# Altium PCB LeVentilateur.PcbDoc (part 1 of 2) (continued)
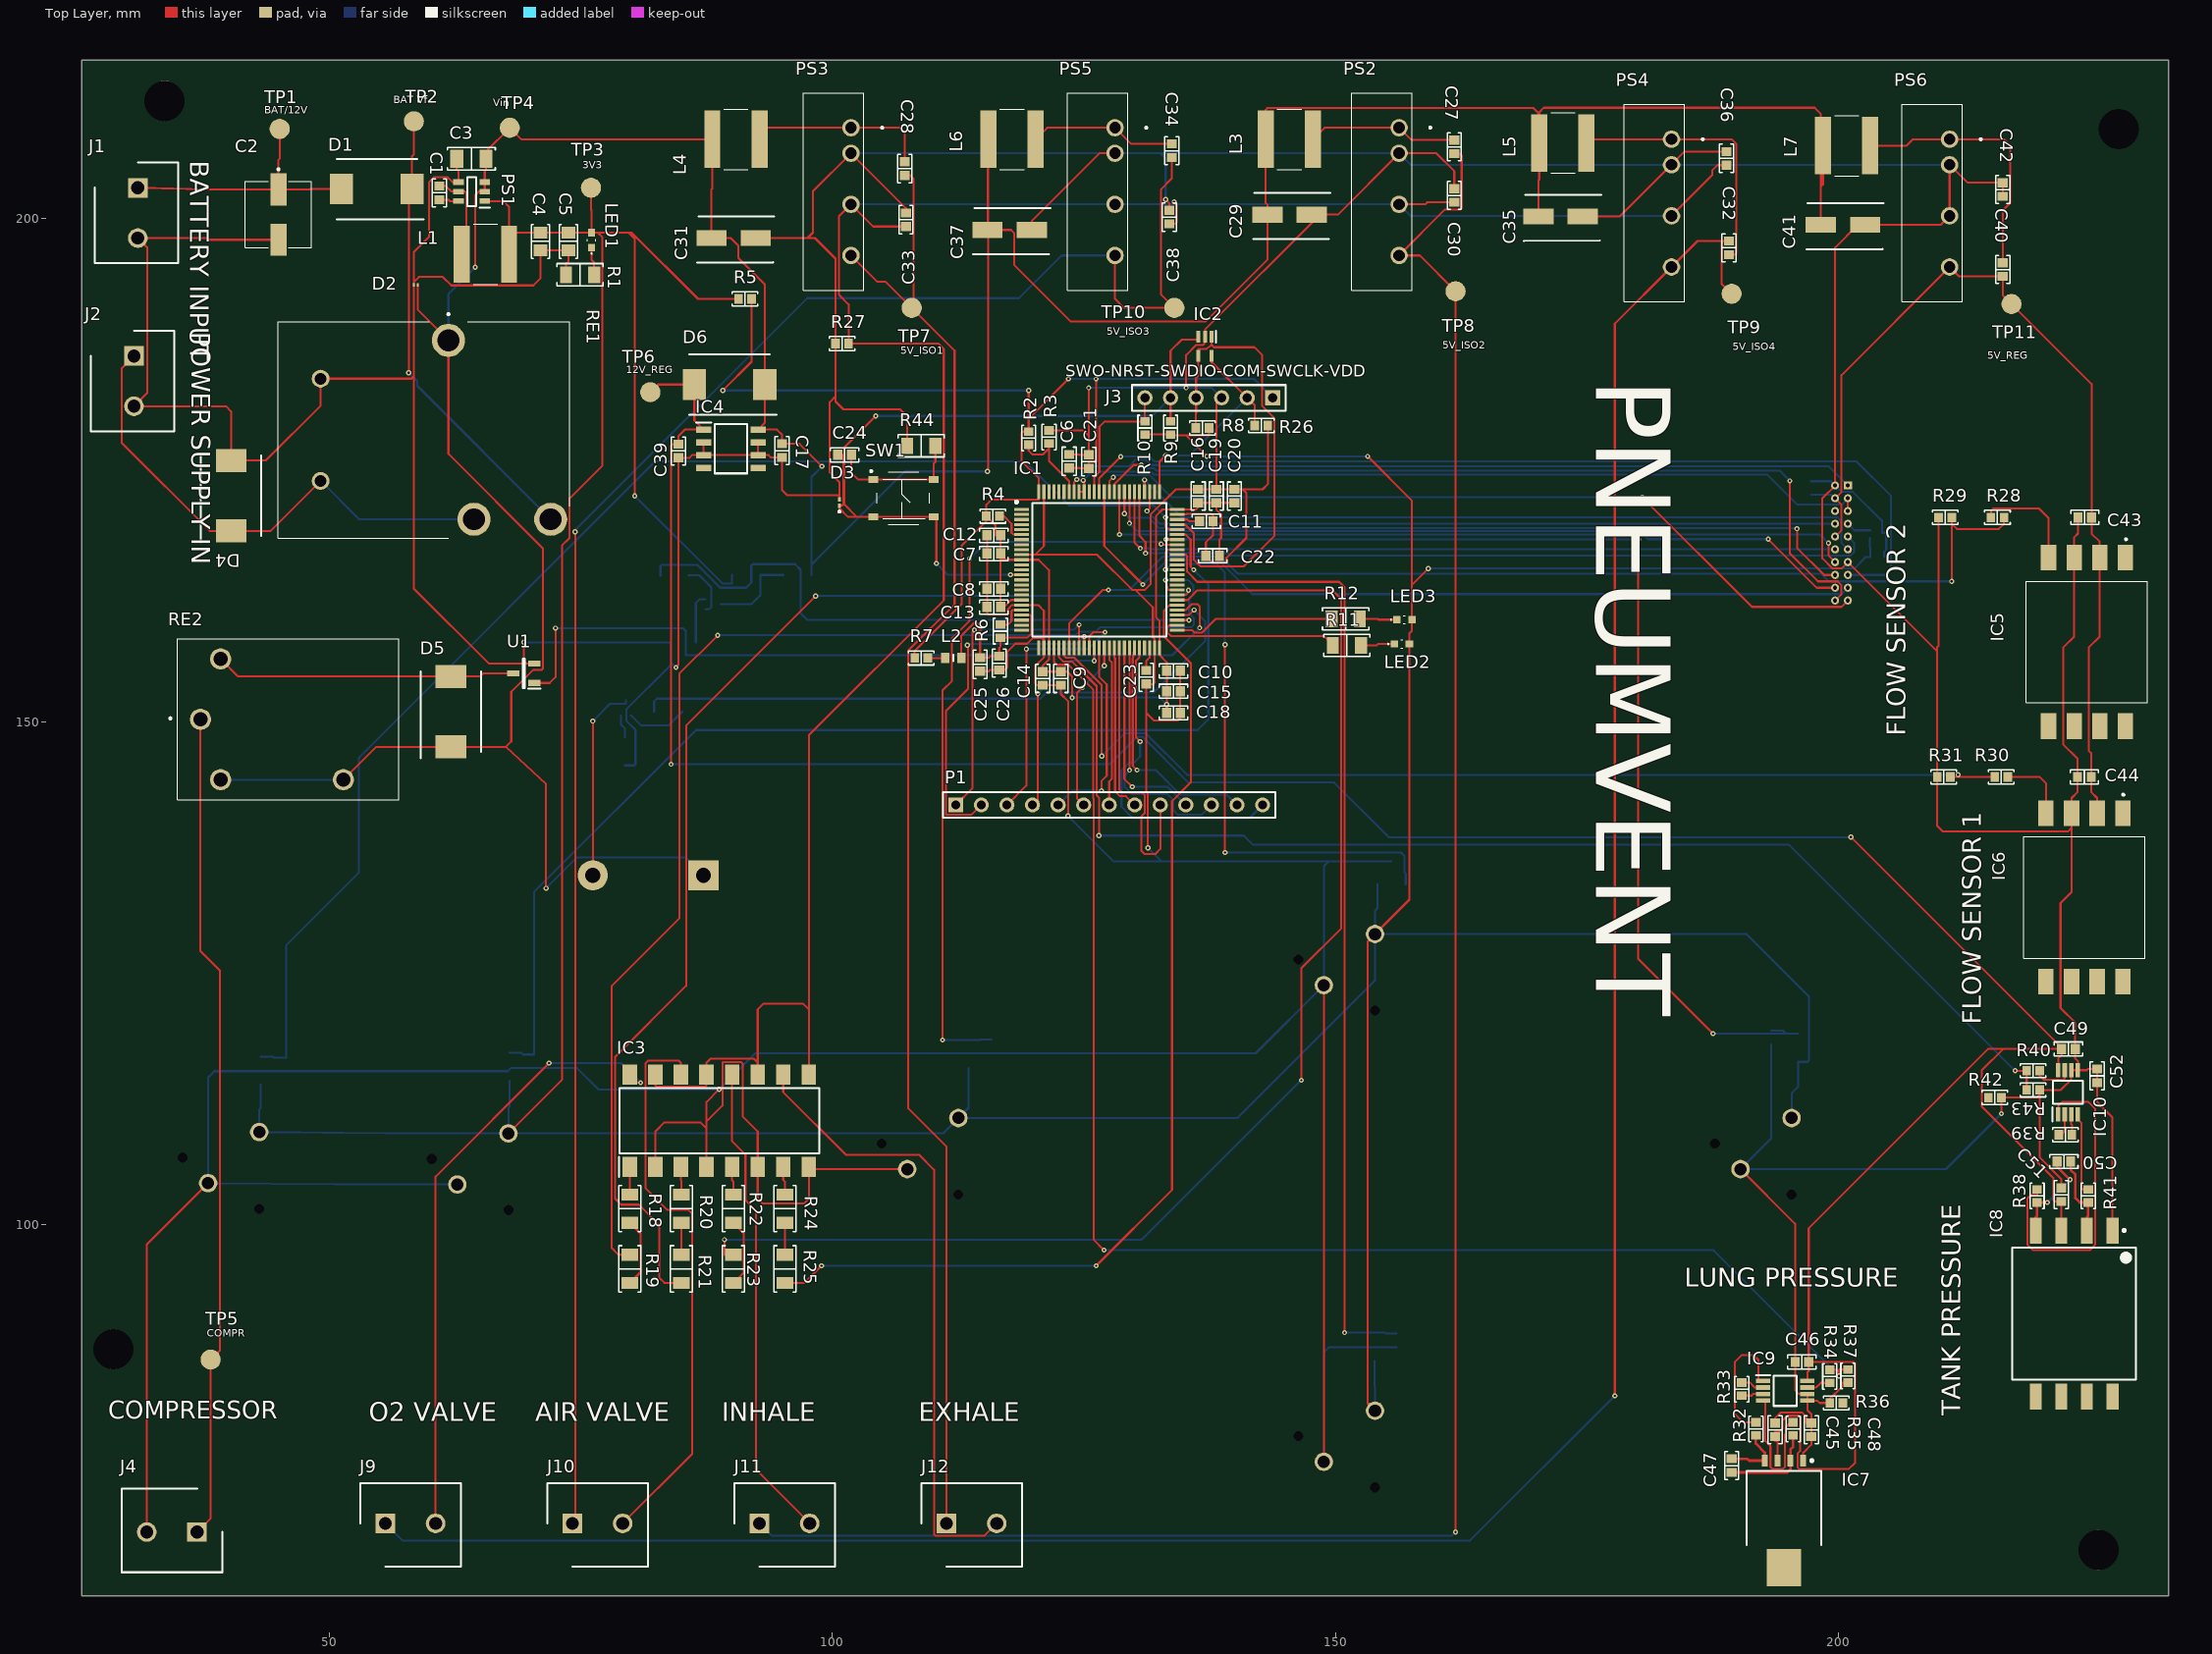
[diagram p0: Top Layer view]
## Part data (continued)
IC9 IC10: "IC INST AMP 1 CIRCUIT 8VSSOP", Case/Package=VSSOP, Input Bias Current=65nA, Input Offset Voltage (Vos)=150uV, Input Resistance=100kR, Input Voltage Noise Density="18nV/sqrt Hz", Manufacturer 1="Texas Instruments", Manufacturer Part Number 1=INA826AIDGKR, Max Dual Supply Voltage=18V, Max Operating Temperature=125°C, Max Supply Voltage=36V, Min Dual Supply Voltage=1.35V, Min Operating Temperature=-40°C, Min Supply Voltage=2.7V, Operating Supply Current=200uA, Output Current per Channel=16mA, Package Quantity=2500, Power Supply Rejection Ratio (PSRR)=100dB, Supplier Part Number 1=296-29663-1-ND, Voltage Gain=60dB, -3db Bandwidth=1MHz, Bandwidth=1MHz, Common Mode Rejection Ratio=84dB, ComponentLink1Description=https://datasheet.ciiva.com/1487/1806064-1487618.pdf?src-supplier=Element14, ComponentLink1URL=https://datasheet.ciiva.com/1487/1806064-1487618.pdf?src-supplier=Element14, ComponentLink2Description=https://datasheet.ciiva.com/1798/ina826-1798294.pdf?src-supplier=Digi-Key, ComponentLink2URL=https://datasheet.ciiva.com/1798/ina826-1798294.pdf?src-supplier=Digi-Key, ComponentLink3Description=https://datasheet.ciiva.com/1798/ina826-1798295.pdf?src-supplier=Digi-Key, ComponentLink3URL=https://datasheet.ciiva.com/1798/ina826-1798295.pdf?src-supplier=Digi-Key, ComponentLink4Description=https://datasheet.ciiva.com/1798/ina826-1798296.pdf?src-supplier=Digi-Key, ComponentLink4URL=https://datasheet.ciiva.com/1798/ina826-1798296.pdf?src-supplier=Digi-Key, ComponentLink5Description=https://datasheet.ciiva.com/14338/ina826-14338024.pdf?src-supplier=Avnet, ComponentLink5URL=https://datasheet.ciiva.com/14338/ina826-14338024.pdf?src-supplier=Avnet, Contact Plating=Gold, Description 1="TEXAS INSTRUMENTS - INA826AIDGKR - ?????, 1????, 40 µV, 1 V/µs, 1 MHz, 2.7V ? 36V, ± 1.35V ? ± 18V, VSSOP", Lead Free="Lead Free", Number of Amplifiers=1, Number of Channels=1, Number of Circuits=1, Number of Elements=1, Number of Pins=8, Packaging="Tape and Reel", Pricing 1="1 = 2.73000, 10 = 2.44900, 25 = 2.31000, 100 = 1.84800, 250 = 1.61700, 500 = 1.57080, 1000 = 1.24740 (USD)", Quiescent Current=200uA, Radiation Hardening=No, REACH SVHC="No SVHC", RoHS 1=Yes, Slew Rate=1V/µs, Stock 1=17777, Supplier 1=Digi-Key, Weight=0.000935oz
IC11: library part Component_1, "LCD MOD GRAPH 122X32 WH TRANSM", Background Color=Blue, Case/Package=Module, Manufacturer 1="Newhaven Display", Manufacturer Part Number 1=NHD-12232KZ-NSW-BBW-P, Max Operating Temperature=70°C, Min Operating Temperature=-20°C, Package Quantity=50, Supplier Part Number 1=NHD-12232KZ-NSW-BBW-P-ND, Backlight Type=LED, ComponentLink1Description=https://datasheet.ciiva.com/19454/2154919-19454139.pdf?src-supplier=Jameco, ComponentLink1URL=https://datasheet.ciiva.com/19454/2154919-19454139.pdf?src-supplier=Jameco, ComponentLink2Description=https://datasheet.ciiva.com/5326/nhd-12232kz-nsw-bbw-p-44813-5326535.pdf?src-supplier=Mouser, ComponentLink2URL=https://datasheet.ciiva.com/5326/nhd-12232kz-nsw-bbw-p-44813-5326535.pdf?src-supplier=Mouser, ComponentLink3Description=https://datasheet.ciiva.com/2103/nhd-12232kz-nsw-bbw-p-2103129.pdf?src-supplier=Digi-Key, ComponentLink3URL=https://datasheet.ciiva.com/2103/nhd-12232kz-nsw-bbw-p-2103129.pdf?src-supplier=Digi-Key, ComponentLink4Description=https://datasheet.ciiva.com/49271/70518174-49271942.pdf?src-supplier=Allied+Electronics, ComponentLink4URL=https://datasheet.ciiva.com/49271/70518174-49271942.pdf?src-supplier=Allied+Electronics, Description 1="122 by 32 Character LCD Display Module 5 Volts White Letters", Interface="Parallel,8 bit", Packaging=Bulk, Pricing 1="1 = 13.85000, 5 = 13.01800, 10 = 12.18700, 50 = 11.60400 (USD)", Resolution (height)=32pixel, Resolution (width)=122pixel, RoHS 1=Yes, Stock 1=610, Supplier 1=Digi-Key
J1 J2 J4 J9 J10 J11 J12: library part 1935161, "TERM BLK 2POS SIDE ENTRY 5MM PCB", Color=Green, Current=18A, Current Rating=17.5A, Flammability Rating="UL94 V-0", Manufacturer 1="Phoenix Contact", Max Current Rating=16A, Max Supply Voltage=250V, Package Quantity=250, Supplier Part Number 1=277-1667-ND, Voltage=300V, Voltage Rating (DC)=320V, Approvals=UL, ComponentLink1Description=https://datasheet.ciiva.com/15169/getdatasheetpartid-177903-15169663.pdf?src-supplier=Verical, ComponentLink1URL=https://datasheet.ciiva.com/15169/getdatasheetpartid-177903-15169663.pdf?src-supplier=Verical, ComponentLink2Description=https://datasheet.ciiva.com/16047/1935161-16047247.pdf?src-supplier=Onlinecomponents.com, ComponentLink2URL=https://datasheet.ciiva.com/16047/1935161-16047247.pdf?src-supplier=Onlinecomponents.com, ComponentLink3Description=https://datasheet.ciiva.com/824/combiconcompact5-0mmseries-824222.pdf?src-supplier=Digi-Key, ComponentLink3URL=https://datasheet.ciiva.com/824/combiconcompact5-0mmseries-824222.pdf?src-supplier=Digi-Key, Connector Type=Screw, Contact Material=Copper,Tin, Depth=9mm, Description 1="Conn Terminal Blocks 2 POS 5mm Solder ST Thru-Hole 16A", Height=11.3mm, Housing Color=Green, Housing Material=Polyamide, Insulation Material=Nylon, Lead Free="Lead Free", Length=9mm, Manufacturer Part Number 1=1935161, Material=Nylon, Mount="Through Hole", Number of Circuits=2, Number of Contacts=2, Number of Levels=1, Number of Pins=2, Number of Poles=2, Number of Positions=2, Number of Positions Per Level=2, Number of Rows=1, Orientation=Straight, Packaging=Bulk, Pitch=5mm, Pricing 1="1 = 0.43000, 10 = 0.41100, 50 = 0.39280, 100 = 0.38200, 250 = 0.35700, 500 = 0.32844, 1000 = 0.30350 (USD)", Radiation Hardening=No, REACH SVHC=Unknown, RoHS 1=Yes, Stock 1=32563, Supplier 1=Digi-Key, Termination=Solder, Voltage Rating=250V, Weight=0.067021oz, Width=14.9mm, Wire/Cable Gauge=26AWG, Wire Gauge (Max)=26AWG, Wire Gauge (Min)=12AWG
J3: "Header, 6-Pin", LatestRevisionDate=17-Jul-2002, LatestRevisionNote="Re-released for DXP Platform.", Publisher="Altium Limited"
L1: library part 1255AY-3R9N=P3, "3.9µH Shielded Wirewound Inductor 4.2A 26.4mOhm Max Nonstandard", Case/Package=Nonstandard, Current Rating=4.2A, DC Resistance (DCR)=26.4mR, Manufacturer 1=Murata, Manufacturer Part Number 1=1255AY-3R9N=P3, Max Operating Temperature=85°C, Min Operating Temperature=-40°C, Saturation Current=4.7A, Supplier Part Number 1=490-14062-1-ND, Test Frequency=100kHz, Tolerance=30%, ComponentLink1Description=http://www.toko.co.jp/products/pdf/inductors/dg6045c.pdf?src-supplier=Digi-Key, ComponentLink1URL=http://www.toko.co.jp/products/pdf/inductors/dg6045c.pdf?src-supplier=Digi-Key, Composition=Wirewound, Core Material=Ferrite, Description 1="FIXED IND", Height - Seated (Max)=0.177inch, Inductance=3.9uH, Length=0.248inch, Mount="Surface Mount", Packaging="Tape and Reel", Pricing 1="1 = 0.48000, 10 = 0.42300, 100 = 0.30190, 500 = 0.25358 (USD)", RoHS 1=Yes, Shielding=Shielded, Stock 1=385, Supplier 1=Digi-Key, Width=0.248inch
L2: library part Inductor, "FERRITE BEAD 300 OHM 0603 1LN", Case/Package=0603, Case Code (Metric)=1608, Current Rating=150mA, DC Resistance (DCR)=350mR, Inductance=300uH, Manufacturer 1="Vishay Dale", Manufacturer Part Number 1=ILBB0603ER301V, Max Operating Temperature=125°C, Min Operating Temperature=-55°C, Package Quantity=1, Supplier Part Number 1=541-2291-1-ND, Test Frequency=100MHz, Tolerance=25%, Case Code (Imperial)=0603, ComponentLink1Description=https://datasheet.ciiva.com/4939/ilbb0603-239824-4939552.pdf?src-supplier=Mouser, ComponentLink1URL=https://datasheet.ciiva.com/4939/ilbb0603-239824-4939552.pdf?src-supplier=Mouser, ComponentLink2Description=https://datasheet.ciiva.com/15160/getdatasheetpartid-45515-15160141.pdf?src-supplier=Verical, ComponentLink2URL=https://datasheet.ciiva.com/15160/getdatasheetpartid-45515-15160141.pdf?src-supplier=Verical, ComponentLink3Description=https://datasheet.ciiva.com/46636/ilbb0603-46636055.pdf?src-supplier=Digi-Key, ComponentLink3URL=https://datasheet.ciiva.com/46636/ilbb0603-46636055.pdf?src-supplier=Digi-Key, ComponentLink4Description=https://datasheet.ciiva.com/46417/ilbb0603-46417096.pdf?src-supplier=Element14, ComponentLink4URL=https://datasheet.ciiva.com/46417/ilbb0603-46417096.pdf?src-supplier=Element14, ComponentLink5Description=https://datasheet.ciiva.com/8493/ilbb0603-8493945.pdf?src-supplier=Avnet, ComponentLink5URL=https://datasheet.ciiva.com/8493/ilbb0603-8493945.pdf?src-supplier=Avnet, ComponentLink6Description=https://datasheet.ciiva.com/1014/ilbb0603-1014734.pdf?src-supplier=Digi-Key, ComponentLink6URL=https://datasheet.ciiva.com/1014/ilbb0603-1014734.pdf?src-supplier=Digi-Key, Core Material=Ferrite, DC Current=150mA, Depth=0.95mm, Description 1="FERRITE BEAD 300 OHM 0603", Height=0.037inch, Impedance=300R, Lead Free="Lead Free", Length=0.063inch, Max Current Rating=150mA, Max DC Current=150mA, Military Standard=Not, Mount="Surface Mount", Number of Lines=1, Number of Pins=2, Packaging="Tape and Reel", Pricing 1="1 = 0.10000, 10 = 0.07300, 25 = 0.06600, 50 = 0.05940, 100 = 0.04360, 250 = 0.03168, 500 = 0.02904, 1000 = 0.02508 (USD)", Radiation Hardening=No, REACH SVHC=Unknown, RoHS 1=Yes, Shielding=Shielded, Stock 1=4680, Supplier 1=Digi-Key, Termination=SMD/SMT, Weight=7.1E-05oz, Width=0.8mm
L3 L4 L5 L6 L7: library part 1255AY-3R9N=P3, ComponentLink1Description=http://www.toko.co.jp/products/pdf/inductors/dg6045c.pdf?src-supplier=Digi-Key, ComponentLink1URL=http://www.toko.co.jp/products/pdf/inductors/dg6045c.pdf?src-supplier=Digi-Key
LED1 LED2: library part 150060GS73220, "LED GREEN CLEAR 0603 SMD", Case/Package=0603, Case Code (Metric)=1608, Color=Green, Forward Current=30mA, Forward Voltage=2V, Manufacturer 1="Wurth Electronics", Manufacturer Part Number 1=150060VS75000, Max Operating Temperature=85°C, Min Operating Temperature=-40°C, Package Quantity=1, Supplier Part Number 1=732-4980-1-ND, Test Current=20mA, Case Code (Imperial)=0603, ComponentLink1Description=https://datasheet.ciiva.com/29562/150060vs75000-29562919.pdf?src-supplier=Digi-Key, ComponentLink1URL=https://datasheet.ciiva.com/29562/150060vs75000-29562919.pdf?src-supplier=Digi-Key, Description 1="WURTH ELEKTRONIK - 150060VS75000 - LED, Grün, Oberflächenmontage, 603, 30 mA, 2 V, 570 nm", Dominant Wavelength=570nm, Height=0.7mm, Length=1.6mm, Lens Style=Clear,Rectangular, Luminous Intensity=40mcd, Mount="Surface Mount", Number of Pins=2, Packaging="Tape and Reel", Pricing 1="1 = 0.14000, 50 = 0.13300, 100 = 0.11400, 500 = 0.09900 (USD)", REACH SVHC=Unknown, RoHS 1=Yes, Stock 1=29468, Supplier 1=Digi-Key, Viewing Angle=140°, Wavelength=570nm, Width=0.8mm
LED3: library part 150060GS73220, "LED GREEN CLEAR 0603 SMD", Case/Package=0603, Case Code (Metric)=1608, Color=Red, Forward Current=30mA, Forward Voltage=2V, Manufacturer 1="Wurth Electronics", Manufacturer Part Number 1=150060RS75000, Max Operating Temperature=85°C, Min Operating Temperature=-40°C, Package Quantity=1, Supplier Part Number 1=732-4978-1-ND, Test Current=20mA, Case Code (Imperial)=0603, ComponentLink1Description=https://datasheet.ciiva.com/29562/150060vs75000-29562919.pdf?src-supplier=Digi-Key, ComponentLink1URL=https://datasheet.ciiva.com/29562/150060vs75000-29562919.pdf?src-supplier=Digi-Key, ComponentLink2Description=https://datasheet.ciiva.com/29563/150060rs75000-29563040.pdf?src-supplier=Digi-Key, ComponentLink2URL=https://datasheet.ciiva.com/29563/150060rs75000-29563040.pdf?src-supplier=Digi-Key, ComponentLink3Description=https://datasheet.ciiva.com/29279/759428-da-01-en-chipled-0603-w-kl-rot-150060rs75000-29279196.pdf?src-supplier=Conrad, ComponentLink3URL=https://datasheet.ciiva.com/29279/759428-da-01-en-chipled-0603-w-kl-rot-150060rs75000-29279196.pdf?src-supplier=Conrad, Description 1="WURTH ELEKTRONIK - 150060RS75000 - LED, Red, 625 nm, 2 V, 30 mA, 250 mcd RoHS Compliant: Yes", Dominant Wavelength=625nm, Height=0.7mm, Length=1.6mm, Lens Style=Clear,Rectangular, Luminous Intensity=250mcd, Mount="Surface Mount", Packaging="Cut Tape", Pricing 1="1 = 0.14000, 50 = 0.13300, 100 = 0.11400, 500 = 0.09900 (USD)", REACH SVHC=Unknown, RoHS 1=Yes, Stock 1=20136, Supplier 1=Digi-Key, Viewing Angle=140°, Wavelength=625nm, Width=0.8mm
LED4: library part QBHP686-IWK-CW, "Red 620nm LED Indication - Discrete 2.4V 1113 (2835 Metric)", Case/Package=1113, Color=Red, Forward Voltage=2.4V, Lens Color=Colorless, Manufacturer 1=QT-Brightek, Manufacturer Part Number 1=QBHP686-RH, Supplier Part Number 1=1516-1369-1-ND, Test Current=150mA, Case Code (Imperial)=1113, ComponentLink1Description="http://www.qt-brightek.com/datasheet/QBHP686-XXH Series.pdf?src-supplier=Digi-Key", ComponentLink1URL="http://www.qt-brightek.com/datasheet/QBHP686-XXH Series.pdf?src-supplier=Digi-Key", Dominant Wavelength=620nm, Height=1mm, Length=3.1mm, Lens Style=Flat, Lens Transparency=Clear, Mount="Surface Mount", Packaging="Tape and Reel", Pricing 1="1 = 0.85000, 10 = 0.66200, 100 = 0.42530, 500 = 0.35910, 1000 = 0.28350 (USD)", RoHS 1=No, Stock 1=3690, Supplier 1=Digi-Key, Viewing Angle=120°, Width=2.8mm
P1: "Header, 13-Pin", LatestRevisionDate=17-Jul-2002, LatestRevisionNote="Re-released for DXP Platform.", Publisher="Altium Limited"
PS1: "IC REG BUCK 3.3V 2A TSOT26", Manufacturer 1=Diodes, Supplier Part Number 1=AP63203WU-7DICT-ND, ComponentLink1Description=http://www.farnell.com/datasheets/2741240.pdf?src-supplier=Farnell, ComponentLink1URL=http://www.farnell.com/datasheets/2741240.pdf?src-supplier=Farnell, ComponentLink2Description=https://api.kemet.com/component-edge/download/datasheet/C0603C104K5RECAUTO.pdf?src-supplier=Digi-Key, ComponentLink2URL=https://api.kemet.com/component-edge/download/datasheet/C0603C104K5RECAUTO.pdf?src-supplier=Digi-Key, ComponentLink3Description=http://www.farnell.com/datasheets/2741240.pdf?src-supplier=Newark, ComponentLink3URL=http://www.farnell.com/datasheets/2741240.pdf?src-supplier=Newark, ComponentLink4Description=http://www.samsungsem.com/kr/support/product-search/mlcc/CL31A106MBHNNNE.jsp?src-supplier=Digi-Key, ComponentLink4URL=http://www.samsungsem.com/kr/support/product-search/mlcc/CL31A106MBHNNNE.jsp?src-supplier=Digi-Key, Description 1="AP63203 Series 3.3 V 2 A SMT Fixed Low IQ Synchronous Buck - TSOT-26", Manufacturer Part Number 1=AP63203WU-7, Pricing 1="1 = 0.83000, 10 = 0.74500, 25 = 0.70720, 100 = 0.54290, 250 = 0.47976, 500 = 0.45450, 1000 = 0.35350 (USD)", RoHS 1=No, Stock 1=8615, Supplier 1=Digi-Key
PS2 PS3 PS4 PS5 PS6: "DC DC CONVERTER 5V 1W", Isolation Voltage=1kV, Manufacturer 1=Recom, Manufacturer_Name="RECOM Power", Max Input Voltage=5V, Max Operating Temperature=85°C, Max Output Current=200mA, Max Power Dissipation=1W, Min Operating Temperature=-40°C, Mouser Part Number=919-RFB-0505S, RS Part Number=1855539P, Supplier Part Number 1=945-3158-ND, ComponentLink1Description=https://www.recom-power.com/pdf/Econoline/RFB.pdf?src-supplier=Digi-Key, ComponentLink1URL=https://www.recom-power.com/pdf/Econoline/RFB.pdf?src-supplier=Digi-Key, Datasheet Link=https://componentsearchengine.com/Datasheets/1/RFB-0505S.pdf, Description 1="Recom RFB 1W Isolated DC-DC Converter Through Hole, Voltage out 5V dc", Efficiency=80%, Features=SCP, Height=10.7mm, Length=19.6mm, Manufacturer_Part_Number=RFB-0505S, Manufacturer Part Number 1=RFB-0505S, Max Output Voltage=5V, Mount="Through Hole", Mouser Price/Stock=https://www.mouser.com/Search/Refine.aspx?Keyword=919-RFB-0505S, Number of Outputs=1, Packaging=Rail/Tube, Pricing 1="1 = 1.54000, 5 = 1.51800, 10 = 1.49600, 25 = 1.45200, 50 = 1.40800, 100 = 1.36400, 250 = 1.32000, 500 = 1.23200 (USD)", RoHS 1=No, RS Price/Stock=http://uk.rs-online.com/web/p/products/1855539P, Stock 1=1808, Supplier 1=Digi-Key, Voltage - Output 1=5V, Weight=2.2g, Width=6mm
Q1 Q2: library part 2N7002,215, "MOSFET N-CH 60V 300MA SOT-23", Continuous Drain Current (ID)=200mA, Drain to Source Voltage (Vdss)=50V, Input Capacitance=26pF, Manufacturer 1=Rohm, Manufacturer Part Number 1=RYE002N05TCL, Max Power Dissipation=150mW, Supplier Part Number 1=RYE002N05TCLCT-ND, ComponentLink1Description=Datasheet, ComponentLink1URL=http://www.nxp.com/documents/data_sheet/2N7002.pdf, ComponentLink2Description="Digi-Key Listing", ComponentLink2URL=http://www.digikey.com/product-detail/en/2N7002,215/568-1369-2-ND/762973, ComponentLink3Description=http://www.mouser.com/ds/2/348/rye002n05-515252.pdf?src-supplier=Mouser, ComponentLink3URL=http://www.mouser.com/ds/2/348/rye002n05-515252.pdf?src-supplier=Mouser, ComponentLink4Description=https://www.rohm.com/datasheet/RYE002N05?src-supplier=Digi-Key, ComponentLink4URL=https://www.rohm.com/datasheet/RYE002N05?src-supplier=Digi-Key, ComponentLink5Description=http://www.rohm.com/web/global/datasheet/RYE002N05?src-supplier=Digi-Key, ComponentLink5URL=http://www.rohm.com/web/global/datasheet/RYE002N05?src-supplier=Digi-Key, ComponentLink6Description=http://rohmfs.rohm.com/en/products/databook/datasheet/discrete/transistor/mosfet/rye002n05.pdf?src-supplier=Avnet, ComponentLink6URL=http://rohmfs.rohm.com/en/products/databook/datasheet/discrete/transistor/mosfet/rye002n05.pdf?src-supplier=Avnet, Description 1="MOSFET N-CH 50V 0.2A EMT3", Lead Free="Lead Free", Mount="Surface Mount", Packaging="Tape and Reel", Pricing 1="1 = 0.20000, 10 = 0.16300, 25 = 0.13680, 100 = 0.08660, 250 = 0.06688, 500 = 0.05700, 1000 = 0.03876 (USD)", Rds On Max=2.2R, RoHS 1=Yes, Stock 1=5369, Supplier 1=Digi-Key
R1 R11 R12 R13 R18 R19 R20 R21 R22 R23 R24 R25 R44 R45 R46 R47 R48 R49 R50: library part ERJ-8ENF1002V, "RES SMD 10K OHM 1% 1/4W 1206", Case/Package=1206, Case Code (Metric)=3216, Manufacturer 1=Yageo, Manufacturer Part Number 1=RC1206FR-07200RL, Max Operating Temperature=155°C, Min Operating Temperature=-55°C, Power Rating=250mW, Resistance=200R, Supplier Part Number 1=311-200FRCT-ND, Temperature Coefficient=100ppm/°C, Tolerance=1%, Voltage Rating=200V, Case Code (Imperial)=1206, ComponentLink1Description=Datasheet, ComponentLink1URL=http://industrial.panasonic.com/www-cgi/jvcr13pz.cgi?E+PZ+3+AOA0002+ERJ8ENF1002V+7+WW, ComponentLink2Description="Digi-Key listing", ComponentLink2URL=http://digikey.com/product-detail/en/ERJ-8ENF1002V/P10.0KFTR-ND/89059, ComponentLink3Description=https://datasheet.ciiva.com/11808/0900766b80c6630a-11808603.pdf?src-supplier=RSComponents, ComponentLink3URL=https://datasheet.ciiva.com/11808/0900766b80c6630a-11808603.pdf?src-supplier=RSComponents, Composition="Thick Film", Depth=1.6mm, Description 1="Res Thick Film 1206 200 Ohm 1% 0.25W(1/4W) ±100ppm/C Molded SMD Paper T/R", Height=0.55mm, Lead Free="Lead Free", Length=3.1mm, Military Standard=Not, Mount="Surface Mount", Packaging="Tape and Reel", Pricing 1="1 = 0.10000, 10 = 0.07100, 100 = 0.02910, 1000 = 0.01306, 2500 = 0.01134 (USD)", RoHS 1=Yes, Stock 1=2870115, Supplier 1=Digi-Key, Termination=SMD/SMT, Voltage Rating (DC)=200V, Weight=0.000571oz, Width=1.6mm
R2 R4 R5 R7 R27: library part ERJ-3EKF1001V, "RES SMD 0 OHM JUMPER 1/10W 0603", Case/Package=0603, Case Code (Metric)=1608, Manufacturer 1=Panasonic, Manufacturer Part Number 1=ERJ-3GEY0R00V, Max Operating Temperature=155°C, Max Power Dissipation=100mW, Min Operating Temperature=-55°C, Package Quantity=1, Resistance=0mR, Supplier Part Number 1=P0.0GDKR-ND, Temperature Coefficient=600ppm/°C, Tolerance=0%, Voltage Rating=75V, Voltage Rating (DC)=50V, Case Code (Imperial)=0603, ComponentLink1Description=Datasheet, ComponentLink1URL=http://industrial.panasonic.com/www-cgi/jvcr13pz.cgi?E+PZ+3+AOA0002+ERJ3EKF1001V+7+WW, ComponentLink2Description="Digi-Key listing", ComponentLink2URL=http://digikey.com/product-detail/en/ERJ-3EKF1001V/P1.00KHTR-ND/196032, ComponentLink3Description=https://datasheet.ciiva.com/27055/1935748-27055113.pdf?src-supplier=Jameco, ComponentLink3URL=https://datasheet.ciiva.com/27055/1935748-27055113.pdf?src-supplier=Jameco, ComponentLink4Description=https://datasheet.ciiva.com/11808/0900766b80f806dd-11808207.pdf?src-supplier=RSComponents, ComponentLink4URL=https://datasheet.ciiva.com/11808/0900766b80f806dd-11808207.pdf?src-supplier=RSComponents, ComponentLink5Description=https://datasheet.ciiva.com/48532/aoa0000ce1-48532165.pdf?src-supplier=Avnet, ComponentLink5URL=https://datasheet.ciiva.com/48532/aoa0000ce1-48532165.pdf?src-supplier=Avnet, ComponentLink6Description=https://datasheet.ciiva.com/43460/1678796-43460647.pdf?src-supplier=Farnell, ComponentLink6URL=https://datasheet.ciiva.com/43460/1678796-43460647.pdf?src-supplier=Farnell, ComponentLink7Description=https://datasheet.ciiva.com/28695/1678796-28695833.pdf?src-supplier=Element14, ComponentLink7URL=https://datasheet.ciiva.com/28695/1678796-28695833.pdf?src-supplier=Element14, ComponentLink8Description=https://datasheet.ciiva.com/5959/1678796-5959707.pdf?src-supplier=Farnell, ComponentLink8URL=https://datasheet.ciiva.com/5959/1678796-5959707.pdf?src-supplier=Farnell, ComponentLink9Description=https://datasheet.ciiva.com/46377/1678796-46377868.pdf?src-supplier=Element14, ComponentLink9URL=https://datasheet.ciiva.com/46377/1678796-46377868.pdf?src-supplier=Element14, ComponentLink10Description=https://datasheet.ciiva.com/9198/aoa0000ce1-9198975.pdf?src-supplier=Avnet, ComponentLink10URL=https://datasheet.ciiva.com/9198/aoa0000ce1-9198975.pdf?src-supplier=Avnet, ComponentLink11Description=https://datasheet.ciiva.com/16758/70255313-16758527.pdf?src-supplier=Allied+Electronics, ComponentLink11URL=https://datasheet.ciiva.com/16758/70255313-16758527.pdf?src-supplier=Allied+Electronics, ComponentLink12Description=https://datasheet.ciiva.com/16834/aoa0000ce1-16834828.pdf?src-supplier=Future+Electronics, ComponentLink12URL=https://datasheet.ciiva.com/16834/aoa0000ce1-16834828.pdf?src-supplier=Future+Electronics, ComponentLink13Description=https://datasheet.ciiva.com/17215/aoa0000ce1-17215388.pdf?src-supplier=Avnet+Europe, ComponentLink13URL=https://datasheet.ciiva.com/17215/aoa0000ce1-17215388.pdf?src-supplier=Avnet+Europe, ComponentLink14Description=https://datasheet.ciiva.com/30199/4aoa0000ce1-30199822.pdf?src-supplier=Onlinecomponents.com, ComponentLink14URL=https://datasheet.ciiva.com/30199/4aoa0000ce1-30199822.pdf?src-supplier=Onlinecomponents.com, Composition="Thick Film", Contact Plating=Tin, Depth=0.8mm, Description 1="Res Thick Film 0603 0 Ohm Jumper Molded SMD Punched Carrier T/R", Features="Automotive AEC-Q200", Height=0.45mm, Lead Free="Lead Free", Length=1.6mm, Military Standard=Not, Mount="Surface Mount", Number of Terminations=2, Packaging="Tape and Reel", Power Rating=100mW, Pricing 1="1 = 0.10000, 10 = 0.03800, 25 = 0.02760, 50 = 0.02120, 100 = 0.01560, 250 = 0.01188, 500 = 0.00950, 1000 = 0.00700 (USD)", Radiation Hardening=No, REACH SVHC="No SVHC", RoHS 1=Yes, Stock 1=17444338, Supplier 1=Digi-Key, Termination=SMD/SMT, Width=0.031inch
R3 R8 R9 R10 R26: library part ERJ-3EKF1001V, "RES SMD 10K OHM 5% 1/10W 0603", Case/Package=0603, Case Code (Metric)=1608, Manufacturer 1=Yageo, Manufacturer Part Number 1=RC0603JR-0710KL, Max Operating Temperature=155°C, Max Power Dissipation=100mW, Min Operating Temperature=-55°C, Resistance=10kR, Supplier Part Number 1=311-10KGRCT-ND, Temperature Coefficient=100ppm/°C, Tolerance=5%, Voltage Rating=50V, Case Code (Imperial)=0603, ComponentLink1Description=Datasheet, ComponentLink1URL=http://industrial.panasonic.com/www-cgi/jvcr13pz.cgi?E+PZ+3+AOA0002+ERJ3EKF1001V+7+WW, ComponentLink2Description="Digi-Key listing", ComponentLink2URL=http://digikey.com/product-detail/en/ERJ-3EKF1001V/P1.00KHTR-ND/196032, ComponentLink3Description=https://datasheet.ciiva.com/27055/1935748-27055113.pdf?src-supplier=Jameco, ComponentLink3URL=https://datasheet.ciiva.com/27055/1935748-27055113.pdf?src-supplier=Jameco, ComponentLink4Description=https://datasheet.ciiva.com/11808/0900766b80f806dd-11808207.pdf?src-supplier=RSComponents, ComponentLink4URL=https://datasheet.ciiva.com/11808/0900766b80f806dd-11808207.pdf?src-supplier=RSComponents, ComponentLink5Description=https://datasheet.ciiva.com/48532/aoa0000ce1-48532165.pdf?src-supplier=Avnet, ComponentLink5URL=https://datasheet.ciiva.com/48532/aoa0000ce1-48532165.pdf?src-supplier=Avnet, ComponentLink6Description=https://datasheet.ciiva.com/43460/1678796-43460647.pdf?src-supplier=Farnell, ComponentLink6URL=https://datasheet.ciiva.com/43460/1678796-43460647.pdf?src-supplier=Farnell, ComponentLink7Description=https://datasheet.ciiva.com/28695/1678796-28695833.pdf?src-supplier=Element14, ComponentLink7URL=https://datasheet.ciiva.com/28695/1678796-28695833.pdf?src-supplier=Element14, ComponentLink8Description=https://datasheet.ciiva.com/5959/1678796-5959707.pdf?src-supplier=Farnell, ComponentLink8URL=https://datasheet.ciiva.com/5959/1678796-5959707.pdf?src-supplier=Farnell, ComponentLink9Description=https://datasheet.ciiva.com/46377/1678796-46377868.pdf?src-supplier=Element14, ComponentLink9URL=https://datasheet.ciiva.com/46377/1678796-46377868.pdf?src-supplier=Element14, ComponentLink10Description=https://datasheet.ciiva.com/9198/aoa0000ce1-9198975.pdf?src-supplier=Avnet, ComponentLink10URL=https://datasheet.ciiva.com/9198/aoa0000ce1-9198975.pdf?src-supplier=Avnet, ComponentLink11Description=https://datasheet.ciiva.com/16758/70255313-16758527.pdf?src-supplier=Allied+Electronics, ComponentLink11URL=https://datasheet.ciiva.com/16758/70255313-16758527.pdf?src-supplier=Allied+Electronics, ComponentLink12Description=https://datasheet.ciiva.com/16834/aoa0000ce1-16834828.pdf?src-supplier=Future+Electronics, ComponentLink12URL=https://datasheet.ciiva.com/16834/aoa0000ce1-16834828.pdf?src-supplier=Future+Electronics, ComponentLink13Description=https://datasheet.ciiva.com/17215/aoa0000ce1-17215388.pdf?src-supplier=Avnet+Europe, ComponentLink13URL=https://datasheet.ciiva.com/17215/aoa0000ce1-17215388.pdf?src-supplier=Avnet+Europe, ComponentLink14Description=https://datasheet.ciiva.com/30199/4aoa0000ce1-30199822.pdf?src-supplier=Onlinecomponents.com, ComponentLink14URL=https://datasheet.ciiva.com/30199/4aoa0000ce1-30199822.pdf?src-supplier=Onlinecomponents.com, ComponentLink15Description=https://datasheet.ciiva.com/2452/pyu-rc-group-51-rohs-l-10-2452848.pdf?src-supplier=Digi-Key, ComponentLink15URL=https://datasheet.ciiva.com/2452/pyu-rc-group-51-rohs-l-10-2452848.pdf?src-supplier=Digi-Key, Composition="Thick Film", Contact Plating=Tin,Matte, Depth=0.8mm, Description 1="Surface Mount Thick Film Resistor, RC Series, 10 kohm, 100 mW, - 5%, 50 V, 0603 [1608 Metric]", Features="Moisture Resistant", Height - Seated (Max)=0.022inch, Lead Free="Lead Free", Length=0.063inch, Military Standard=Not, Number of Pins=2, Number of Terminations=2, Packaging="Tape and Reel", Power Rating=100mW, Pricing 1="1 = 0.10000, 10 = 0.01900, 100 = 0.00770, 1000 = 0.00347, 2500 = 0.00301 (USD)", Radiation Hardening=No, REACH SVHC=Unknown, RoHS 1=Yes, Stock 1=3333728, Supplier 1=Digi-Key, Termination=SMD/SMT, Voltage Rating (DC)=50V, Width=0.031inch
R6: library part ERJ-3EKF1001V, "RESISTOR 47 Ohms ±5% 0.1W, 1/10W Chip Resistor 0603", Manufacturer 1="TE Connectivity", Manufacturer Part Number 1=CRGCQ0603J47R, Supplier Part Number 1=A130083CT-ND, ComponentLink1Description=Datasheet, ComponentLink1URL=http://industrial.panasonic.com/www-cgi/jvcr13pz.cgi?E+PZ+3+AOA0002+ERJ3EKF1001V+7+WW, ComponentLink2Description="Digi-Key listing", ComponentLink2URL=http://digikey.com/product-detail/en/ERJ-3EKF1001V/P1.00KHTR-ND/196032, ComponentLink3Description=https://datasheet.ciiva.com/27055/1935748-27055113.pdf?src-supplier=Jameco, ComponentLink3URL=https://datasheet.ciiva.com/27055/1935748-27055113.pdf?src-supplier=Jameco, ComponentLink4Description=https://datasheet.ciiva.com/11808/0900766b80f806dd-11808207.pdf?src-supplier=RSComponents, ComponentLink4URL=https://datasheet.ciiva.com/11808/0900766b80f806dd-11808207.pdf?src-supplier=RSComponents, ComponentLink5Description=https://datasheet.ciiva.com/48532/aoa0000ce1-48532165.pdf?src-supplier=Avnet, ComponentLink5URL=https://datasheet.ciiva.com/48532/aoa0000ce1-48532165.pdf?src-supplier=Avnet, ComponentLink6Description=https://datasheet.ciiva.com/43460/1678796-43460647.pdf?src-supplier=Farnell, ComponentLink6URL=https://datasheet.ciiva.com/43460/1678796-43460647.pdf?src-supplier=Farnell, ComponentLink7Description=https://datasheet.ciiva.com/28695/1678796-28695833.pdf?src-supplier=Element14, ComponentLink7URL=https://datasheet.ciiva.com/28695/1678796-28695833.pdf?src-supplier=Element14, ComponentLink8Description=https://datasheet.ciiva.com/5959/1678796-5959707.pdf?src-supplier=Farnell, ComponentLink8URL=https://datasheet.ciiva.com/5959/1678796-5959707.pdf?src-supplier=Farnell, ComponentLink9Description=https://datasheet.ciiva.com/46377/1678796-46377868.pdf?src-supplier=Element14, ComponentLink9URL=https://datasheet.ciiva.com/46377/1678796-46377868.pdf?src-supplier=Element14, ComponentLink10Description=https://datasheet.ciiva.com/9198/aoa0000ce1-9198975.pdf?src-supplier=Avnet, ComponentLink10URL=https://datasheet.ciiva.com/9198/aoa0000ce1-9198975.pdf?src-supplier=Avnet, ComponentLink11Description=https://datasheet.ciiva.com/16758/70255313-16758527.pdf?src-supplier=Allied+Electronics, ComponentLink11URL=https://datasheet.ciiva.com/16758/70255313-16758527.pdf?src-supplier=Allied+Electronics, ComponentLink12Description=https://datasheet.ciiva.com/16834/aoa0000ce1-16834828.pdf?src-supplier=Future+Electronics, ComponentLink12URL=https://datasheet.ciiva.com/16834/aoa0000ce1-16834828.pdf?src-supplier=Future+Electronics, ComponentLink13Description=https://datasheet.ciiva.com/17215/aoa0000ce1-17215388.pdf?src-supplier=Avnet+Europe, ComponentLink13URL=https://datasheet.ciiva.com/17215/aoa0000ce1-17215388.pdf?src-supplier=Avnet+Europe, ComponentLink14Description=https://datasheet.ciiva.com/30199/4aoa0000ce1-30199822.pdf?src-supplier=Onlinecomponents.com, ComponentLink14URL=https://datasheet.ciiva.com/30199/4aoa0000ce1-30199822.pdf?src-supplier=Onlinecomponents.com, ComponentLink15Description=https://www.te.com/commerce/DocumentDelivery/DDEController?Action=srchrtrv&DocNm=1773204-3&DocType=DS&DocLang=English&src-supplier=Digi-Key, ComponentLink15URL=https://www.te.com/commerce/DocumentDelivery/DDEController?Action=srchrtrv&DocNm=1773204-3&DocType=DS&DocLang=English&src-supplier=Digi-Key, Description 1="CRGCQ 0603 47R 5%", Pricing 1="1 = 0.10000, 10 = 0.02100, 100 = 0.00860, 1000 = 0.00387, 2500 = 0.00336 (USD)", RoHS 1=No, Stock 1=81962, Supplier 1=Digi-Key
R14 R15 R16: library part ERJ-8ENF10R0V, "RES 20 OHM 1% 1/2W 1206", Case/Package=1206, Case Code (Metric)=3216, Manufacturer 1="Stackpole Electronics", Manufacturer Part Number 1=RNCP1206FTD20R0, Max Operating Temperature=155°C, Max Power Dissipation=500mW, Min Operating Temperature=-55°C, Resistance=20R, Supplier Part Number 1=RNCP1206FTD20R0CT-ND, Temperature Coefficient=100ppm/°C, Tolerance=1%, Case Code (Imperial)=1206, ComponentLink1Description=Datasheet, ComponentLink1URL=http://industrial.panasonic.com/www-cgi/jvcr13pz.cgi?E+PZ+3+AOA0002+ERJ8ENF10R0V+7+WW, ComponentLink2Description="Digi-Key listing", ComponentLink2URL=http://digikey.com/product-detail/en/ERJ-8ENF10R0V/P10.0FTR-ND/88239, ComponentLink3Description=http://www.seielect.com/Catalog/SEI-rncp.pdf?src-supplier=Digi-Key, ComponentLink3URL=http://www.seielect.com/Catalog/SEI-rncp.pdf?src-supplier=Digi-Key, ComponentLink4Description=https://www.seielect.com/catalog/SEI-Packaging.pdf?src-supplier=Digi-Key, ComponentLink4URL=https://www.seielect.com/catalog/SEI-Packaging.pdf?src-supplier=Digi-Key, Composition="Thin Film", Description 1="RES SMD 20 OHM 1% 1/2W 1206", Features="Moisture Resistant,Anti-Sulfur", Height=0.024inch, Lead Free="Lead Free", Length=0.122inch, Mount="Surface Mount", Number of Terminations=2, Packaging="Tape and Reel", Pricing 1="1 = 0.10000, 10 = 0.08900, 100 = 0.03410, 1000 = 0.01500, 2500 = 0.01296 (USD)", RoHS 1=Yes, Stock 1=55462, Supplier 1=Digi-Key, Width=0.059inch